# KiCad board PETER.kicad_pcb (continued)
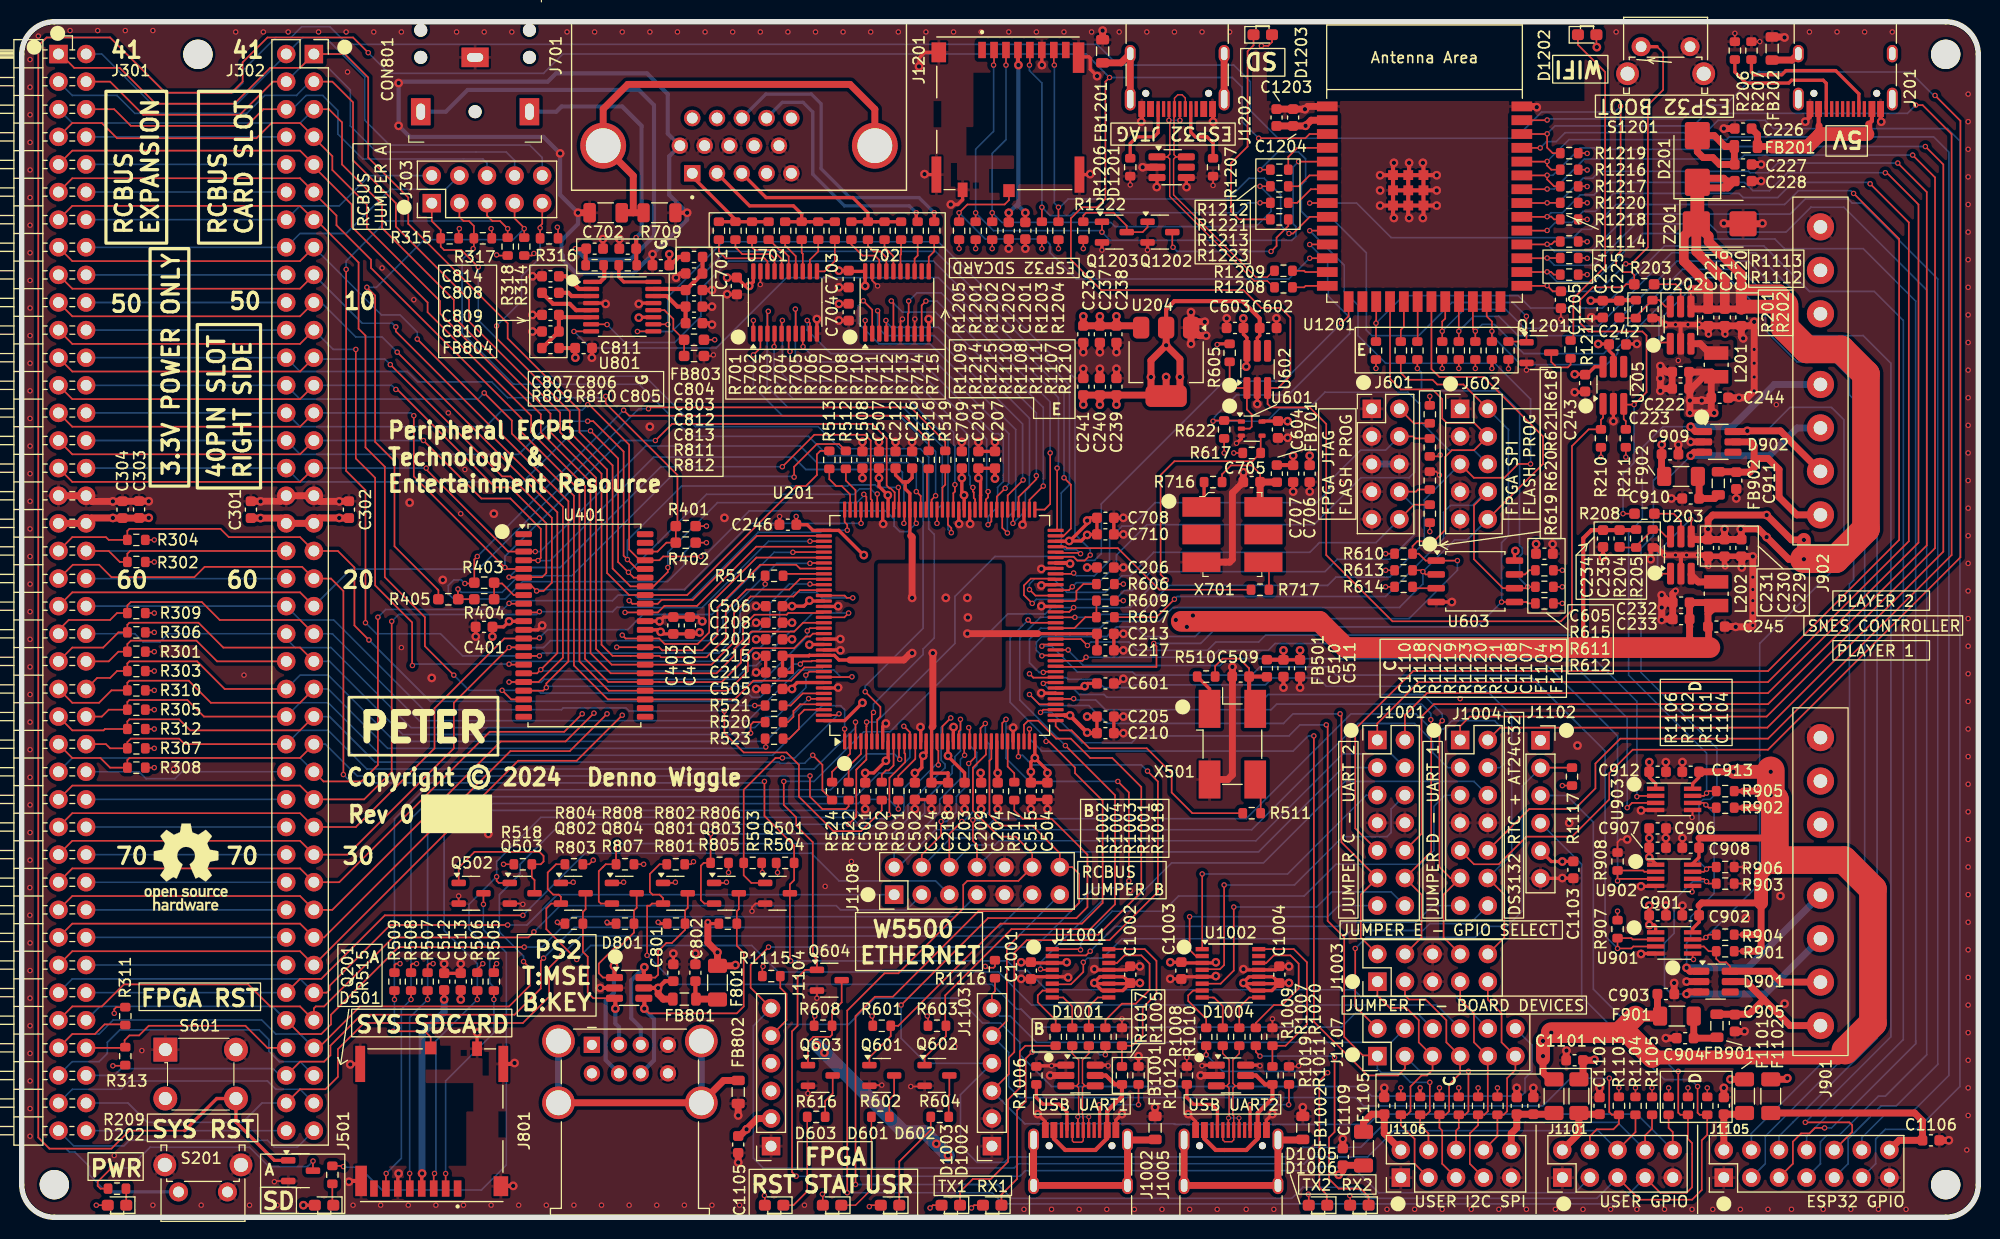
[diagram p0: board, top side]
## Footprints (pads in the part's own frame, mm; a bottom-side part is the same pattern mirrored in y, then rotated) (continued)
LTST-S270KGKT
  rrect 1.1x1 smd: 1(-0.85,0) 2(0.85,0)
MountingHole_2.7mm_M2.5_DIN965
  round 2.7 hole 2.7 unplated: (0,0)
Oscillator_Renesas_XL_6pin_5x7mm_HandSolder
  rect 1.8x3.5 smd: 1(-2.54,-2.85) 2(0,-2.85) 3(2.54,-2.85) 4(2.54,2.85) 5(0,2.85) 6(-2.54,2.85)
Oscillator_SMD_EuroQuartz_XO91-4Pin_7.0x5.0mm_HandSoldering
  rect 3.5x2 smd: 1(-3.25,-2.1) 2(3.25,-2.1) 3(3.25,2.1) 4(-3.25,2.1)
PinHeader_2x05_P2.54mm_Vertical
  rect 1.7x1.7 hole 1: 1(0,0)
  oval 1.7x1.7 hole 1: 2(2.54,0) 3(0,-2.54) 4(2.54,-2.54) 5(0,-5.08) 6(2.54,-5.08) 7(0,-7.62) 8(2.54,-7.62) 9(0,-10.16) 10(2.54,-10.16)
PinHeader_2x06_P2.54mm_Vertical
  rect 1.7x1.7 hole 1: 1(0,0)
  oval 1.7x1.7 hole 1: 2(2.54,0) 3(0,-2.54) 4(2.54,-2.54) 5(0,-5.08) 6(2.54,-5.08) 7(0,-7.62) 8(2.54,-7.62) 9(0,-10.16) 10(2.54,-10.16) 11(0,-12.7) 12(2.54,-12.7)
PinHeader_2x07_P2.54mm_Vertical
  rect 1.7x1.7 hole 1: 1(0,0)
  oval 1.7x1.7 hole 1: 2(2.54,0) 3(0,-2.54) 4(2.54,-2.54) 5(0,-5.08) 6(2.54,-5.08) 7(0,-7.62) 8(2.54,-7.62) 9(0,-10.16) 10(2.54,-10.16) 11(0,-12.7) 12(2.54,-12.7) 13(0,-15.24) 14(2.54,-15.24)
PinSocket_1x06_P2.54mm_Vertical
  rect 1.7x1.7 hole 1: 1(0,0)
  oval 1.7x1.7 hole 1: 2(0,-2.54) 3(0,-5.08) 4(0,-7.62) 5(0,-10.16) 6(0,-12.7)
PinSocket_2x40_P2.54mm_Vertical_RCBUS80
  rect 1.7x1.7 hole 1: 1(2.54,0)
  oval 1.7x1.7 hole 1: 2(2.54,-2.54) 3(2.54,-5.08) 4(2.54,-7.62) 5(2.54,-10.16) 6(2.54,-12.7) 7(2.54,-15.24) 8(2.54,-17.78) 9(2.54,-20.32) 10(2.54,-22.86) 11(2.54,-25.4) 12(2.54,-27.94) 13(2.54,-30.48) 14(2.54,-33.02) 15(2.54,-35.56) 16(2.54,-38.1) 17(2.54,-40.64) 18(2.54,-43.18) 19(2.54,-45.72) 20(2.54,-48.26) 21(2.54,-50.8) 22(2.54,-53.34) 23(2.54,-55.88) 24(2.54,-58.42) 25(2.54,-60.96) 26(2.54,-63.5) 27(2.54,-66.04) 28(2.54,-68.58) 29(2.54,-71.12) 30(2.54,-73.66) 31(2.54,-76.2) 32(2.54,-78.74) 33(2.54,-81.28) 34(2.54,-83.82) 35(2.54,-86.36) 36(2.54,-88.9) 37(2.54,-91.44) 38(2.54,-93.98) 39(2.54,-96.52) 40(2.54,-99.06) 41(0,0) 42(0,-2.54) 43(0,-5.08) 44(0,-7.62) 45(0,-10.16) 46(0,-12.7) 47(0,-15.24) 48(0,-17.78) 49(0,-20.32) 50(0,-22.86) 51(0,-25.4) 52(0,-27.94) 53(0,-30.48) 54(0,-33.02) 55(0,-35.56) 56(0,-38.1) 57(0,-40.64) 58(0,-43.18) 59(0,-45.72) 60(0,-48.26) 61(0,-50.8) 62(0,-53.34) 63(0,-55.88) 64(0,-58.42) 65(0,-60.96) 66(0,-63.5) 67(0,-66.04) 68(0,-68.58) 69(0,-71.12) 70(0,-73.66) 71(0,-76.2) 72(0,-78.74) 73(0,-81.28) 74(0,-83.82) 75(0,-86.36) 76(0,-88.9) 77(0,-91.44) 78(0,-93.98) 79(0,-96.52) 80(0,-99.06)
R_0603_1608Metric
  rrect 0.8x0.95 smd: 1(-0.825,0) 2(0.825,0)
R_0603_1608Metric_Pad0.98x0.95mm_HandSolder
  rrect 0.975x0.95 smd: 1(-0.912,0) 2(0.912,0)
R_1206_3216Metric
  rrect 1.125x1.75 smd: 1(-1.462,0) 2(1.462,0)
R_1206_3216Metric_Pad1.30x1.75mm_HandSolder
  rrect 1.3x1.75 smd: 1(-1.55,0) 2(1.55,0)
RCBUS_PinHeader_2x40_P2.54mm_Horizontal
  rect 1.7x1.7 hole 1: 1(8.08,0)
  oval 1.7x1.7 hole 1: 2(8.08,-2.54) 3(8.08,-5.08) 4(8.08,-7.62) 5(8.08,-10.16) 6(8.08,-12.7) 7(8.08,-15.24) 8(8.08,-17.78) 9(8.08,-20.32) 10(8.08,-22.86) 11(8.08,-25.4) 12(8.08,-27.94) 13(8.08,-30.48) 14(8.08,-33.02) 15(8.08,-35.56) 16(8.08,-38.1) 17(8.08,-40.64) 18(8.08,-43.18) 19(8.08,-45.72) 20(8.08,-48.26) 21(8.08,-50.8) 22(8.08,-53.34) 23(8.08,-55.88) 24(8.08,-58.42) 25(8.08,-60.96) 26(8.08,-63.5) 27(8.08,-66.04) 28(8.08,-68.58) 29(8.08,-71.12) 30(8.08,-73.66) 31(8.08,-76.2) 32(8.08,-78.74) 33(8.08,-81.28) 34(8.08,-83.82) 35(8.08,-86.36) 36(8.08,-88.9) 37(8.08,-91.44) 38(8.08,-93.98) 39(8.08,-96.52) 40(8.08,-99.06) 41(10.62,0) 42(10.62,-2.54) 43(10.62,-5.08) 44(10.62,-7.62) 45(10.62,-10.16) 46(10.62,-12.7) 47(10.62,-15.24) 48(10.62,-17.78) 49(10.62,-20.32) 50(10.62,-22.86) 51(10.62,-25.4) 52(10.62,-27.94) 53(10.62,-30.48) 54(10.62,-33.02) 55(10.62,-35.56) 56(10.62,-38.1) 57(10.62,-40.64) 58(10.62,-43.18) 59(10.62,-45.72) 60(10.62,-48.26) 61(10.62,-50.8) 62(10.62,-53.34) 63(10.62,-55.88) 64(10.62,-58.42) 65(10.62,-60.96) 66(10.62,-63.5) 67(10.62,-66.04) 68(10.62,-68.58) 69(10.62,-71.12) 70(10.62,-73.66) 71(10.62,-76.2) 72(10.62,-78.74) 73(10.62,-81.28) 74(10.62,-83.82) 75(10.62,-86.36) 76(10.62,-88.9) 77(10.62,-91.44) 78(10.62,-93.98) 79(10.62,-96.52) 80(10.62,-99.06)
SNES_ControllerPortRightAngle_RightSide
  round 2.5 hole 1.25: 1(-15.236,0) 2(-11.236,0) 3(-7.236,0) 4(-3.236,0) 5(3.264,0) 6(7.264,0) 7(11.264,0)
SOIC-8_5.23x5.23mm_P1.27mm
  rrect 1.6x0.6 smd: 1(-3.6,1.905) 2(-3.6,0.635) 3(-3.6,-0.635) 4(-3.6,-1.905) 5(3.6,-1.905) 6(3.6,-0.635) 7(3.6,0.635) 8(3.6,1.905)
SOT-23-3
  rrect 1.325x0.6 smd: 1(-1.137,0.95) 2(-1.137,-0.95) 3(1.137,0)
SOT-23-6_Handsoldering
  rrect 1.56x0.65 smd: 1(-1.35,0.95) 2(-1.35,0) 3(-1.35,-0.95) 4(1.35,-0.95) 5(1.35,0) 6(1.35,0.95)
SOT-223
  rrect 2x1.5 smd: 1(-3.15,2.3) 2(-3.15,0) 3(-3.15,-2.3)
  rrect 2x3.8 smd: 4(3.15,0)
SOT-353_SC-70-5
  rrect 0.65x0.4 smd: 1(-0.95,0.65) 2(-0.95,0) 3(-0.95,-0.65) 4(0.95,-0.65) 5(0.95,0.65)
SSOP-8_2.95x2.8mm_P0.65mm
  rect 1.6x0.4 smd: 1(-1.7,0.975) 2(-1.7,0.325) 3(-1.7,-0.325) 4(-1.7,-0.975) 5(1.7,-0.975) 6(1.7,-0.325) 7(1.7,0.325) 8(1.7,0.975)
SSOP-16_3.9x4.9mm_P0.635mm
  rect 1.2x0.4 smd: 1(-2.6,2.223) 2(-2.6,1.587) 3(-2.6,0.953) 4(-2.6,0.318) 5(-2.6,-0.318) 6(-2.6,-0.953) 7(-2.6,-1.587) 8(-2.6,-2.223) 9(2.6,-2.223) 10(2.6,-1.587) 11(2.6,-0.953) 12(2.6,-0.318) 13(2.6,0.318) 14(2.6,0.953) 15(2.6,1.587) 16(2.6,2.223)
SW_Tactile_SPST_Angled_PTS645Vx83-2LFS
  round 1.75 hole 0.99: 1(0,0) 2(4.5,0)
  round 2.1 hole 1.3: SH1(-1.25,-2.49) SH2(5.76,-2.49)
Switch_Tactile_THT_6x6mm
  rect 2.2x2.2 hole 1.2: 1(0,0)
  round 2.2 hole 1.2: 2(6.5,0) 3(0,-4.5) 4(6.5,-4.5)
TSOP-II-44_10.16x18.41mm_P0.8mm
  rrect 1.525x0.55 smd: 1(-5.588,8.4) 2(-5.588,7.6) 3(-5.588,6.8) 4(-5.588,6) 5(-5.588,5.2) 6(-5.588,4.4) 7(-5.588,3.6) 8(-5.588,2.8) 9(-5.588,2) 10(-5.588,1.2) 11(-5.588,0.4) 12(-5.588,-0.4) 13(-5.588,-1.2) 14(-5.588,-2) 15(-5.588,-2.8) 16(-5.588,-3.6) 17(-5.588,-4.4) 18(-5.588,-5.2) 19(-5.588,-6) 20(-5.588,-6.8) 21(-5.588,-7.6) 22(-5.588,-8.4) 23(5.588,-8.4) 24(5.588,-7.6) 25(5.588,-6.8) 26(5.588,-6) 27(5.588,-5.2) 28(5.588,-4.4) 29(5.588,-3.6) 30(5.588,-2.8) 31(5.588,-2) 32(5.588,-1.2) 33(5.588,-0.4) 34(5.588,0.4) 35(5.588,1.2) 36(5.588,2) 37(5.588,2.8) 38(5.588,3.6) 39(5.588,4.4) 40(5.588,5.2) 41(5.588,6) 42(5.588,6.8) 43(5.588,7.6) 44(5.588,8.4)
TSOT-23-6_HandSoldering
  rrect 2x0.65 smd: 1(-1.71,0.95) 2(-1.71,0) 3(-1.71,-0.95) 4(1.71,-0.95) 5(1.71,0) 6(1.71,0.95)
TSSOP-16_4.4x5mm_P0.65mm
  rrect 1.475x0.4 smd: 1(-2.862,2.275) 2(-2.862,1.625) 3(-2.862,0.975) 4(-2.862,0.325) 5(-2.862,-0.325) 6(-2.862,-0.975) 7(-2.862,-1.625) 8(-2.862,-2.275) 9(2.862,-2.275) 10(2.862,-1.625) 11(2.862,-0.975) 12(2.862,-0.325) 13(2.862,0.325) 14(2.862,0.975) 15(2.862,1.625) 16(2.862,2.275)
TSSOP-20_4.4x6.5mm_P0.65mm
  rrect 1.475x0.4 smd: 1(-2.862,2.925) 2(-2.862,2.275) 3(-2.862,1.625) 4(-2.862,0.975) 5(-2.862,0.325) 6(-2.862,-0.325) 7(-2.862,-0.975) 8(-2.862,-1.625) 9(-2.862,-2.275) 10(-2.862,-2.925) 11(2.862,-2.925) 12(2.862,-2.275) 13(2.862,-1.625) 14(2.862,-0.975) 15(2.862,-0.325) 16(2.862,0.325) 17(2.862,0.975) 18(2.862,1.625) 19(2.862,2.275) 20(2.862,2.925)
USB_A_Wuerth_61400826021_Horizontal_Stacked
  rect 1.5x1.5 hole 0.92: 1(0,0)
  round 1.5 hole 0.92: 2(2.5,0) 3(4.5,0) 4(7,0) 5(0,-2.62) 6(2.5,-2.62) 7(4.5,-2.62) 8(7,-2.62)
  round 3 hole 2.3: 9(-3.07,0.35) 9(-3.07,-5.33) 9(10.07,0.35) 9(10.07,-5.33)
USB_C_Receptacle_HRO_TYPE-C-31-M-12
  round 0.65 hole 0.65 unplated: (-2.89,2.6) (2.89,2.6)
  rect 0.6x1.45 smd: A1(-3.25,4.045) A4(-2.45,4.045) A9(2.45,4.045) A12(3.25,4.045) B1(3.25,4.045) B4(2.45,4.045) B9(-2.45,4.045) B12(-3.25,4.045)
  rect 0.3x1.45 smd: A5(-1.25,4.045) A6(-0.25,4.045) A7(0.25,4.045) A8(1.25,4.045) B5(1.75,4.045) B6(0.75,4.045) B7(-0.75,4.045) B8(-1.75,4.045)
  oval 1x2.1 hole 0.6x1.7: S1(-4.32,3.13) S1(4.32,3.13)
  oval 1x1.6 hole 0.6x1.2: S1(-4.32,-1.05) S1(4.32,-1.05)
uSD_Molex_503398-1892
  rect 0.7x1.5 smd: 1(-2.38,5.825) 2(-1.28,5.825) 3(-0.18,5.825) 4(0.92,5.825) 5(2.02,5.825) 6(3.12,5.825) 7(4.22,5.825) 8(5.32,5.825)
  rect 0.9x1.33 smd: 9(-4.17,-7.04)
  rect 1.05x1.18 smd: 10(0.095,-7.115)
  rect 1.34x1.83 smd: SH1(-6.36,5.61)
  rect 1.06x2.8 smd: SH2(6.5,5.125)
  rect 0.9x3.33 smd: SH3(-6.58,-5.64) SH4(6.58,-5.64)

## Nets
+1V1: C201.1 C202.1 C203.1 C204.1 C205.1 C206.1 C207.1 C208.1 C209.1 C210.1 C232.1 C233.1 C234.1 C235.1 C245.1 C246.1 L202.2 R204.1 U201.20 U201.29 U201.38 U201.66 U201.83 U201.109 U201.130 U201.144
+2V5: C211.1 C212.1 C213.1 C214.1 C215.1 C216.1 C217.1 C218.1 C239.1 C240.1 C241.1 C602.1 U201.17 U201.53 U201.96 U201.132 U204.2 U204.4 U602.5
+3.3V: C222.1 C223.1 C224.1 C225.1 C236.1 C237.1 C238.1 C242.1 C243.1 C244.1 C301.1 C302.1 C303.1 C304.1 C401.1 C402.1 C403.1 C501.1 C502.1 C504.1 C505.1 C506.1 C507.1 C508.1 C510.1 C511.1 C512.1 C513.1 C515.1 C601.1 C603.1 C604.1 C605.1 C701.1 C703.1 C704.1 C706.1 C707.1 C708.1 C709.1 C710.1 C805.1 C811.1 C901.1 C906.1 C907.1 C912.1 C1001.1 C1002.1 C1003.1 C1004.1 C1101.1 C1103.1 C1105.1 C1109.1 C1201.1 C1202.1 C1203.1 C1204.1 D202.2 D501.2 D601.2 D602.2 D603.2 D1002.2 D1003.2 D1005.2 D1006.2 D1202.2 D1203.2 F1101.2 F1102.2 F1103.2 F1105.2 FB501.2 FB701.2 FB803.2 FB804.2 J301.18 J301.58 J302.18 J302.58 J501.4 J1102.5 J1104.2 J1104.3 J1201.4 L201.2 Q801.1 Q802.1 Q803.1 Q804.1 R201.1 R210.1 R211.1 R301.2 R302.2 R303.2 R304.2 R305.2 R306.2 R307.2 R308.2 R309.2 R310.2 R311.2 R312.2 R313.2 R314.2 R315.2 R316.2 R317.2 R318.2 R401.1 R503.1 R504.1 R505.1 R506.1 R507.1 R508.1 R509.1 R518.1 R601.1 R603.1 R605.1 R606.1 R608.1 R609.1 R610.1 R611.1 R612.1 R613.1 R614.1 R615.1 R617.1 R618.1 R619.1 R621.1 R622.1 R802.1 R804.1 R806.1 R808.1 R811.1 R907.2 R1101.2 R1102.2 R1103.2 R1104.2 R1105.2 R1106.2 R1107.2 R1108.2 R1109.2 R1110.2 R1111.2 R1112.2 R1113.2 R1114.2 R1115.2 R1116.2 R1117.2 R1118.2 R1119.2 R1120.2 R1121.2 R1122.2 R1123.2 R1201.1 R1202.1 R1203.1 R1204.1 R1205.1 R1210.1 R1216.2 R1217.2 R1218.2 R1219.2 R1220.2 R1222.1 U201.9 U201.16 U201.36 U201.43 U201.70 U201.86 U201.100 U201.122 U201.137 U204.3 U205.5 U205.6 U401.11 U401.33 U601.5 U602.6 U603.8 U701.1 U701.20 U702.1 U702.20 U801.11 U901.1 U901.5 U902.1 U902.5 U903.1 U1001.3 U1001.10 U1001.11 U1001.12 U1002.3 U1002.10 U1002.11 U1002.12 U1201.2
+5V: C219.1 C220.1 C221.1 C228.1 C229.1 C230.1 C231.1 C902.1 C903.1 C908.1 C909.1 C913.1 D201.1 F801.2 F901.1 F902.1 F1104.2 R801.1 R803.1 R805.1 R807.1 R901.2 R902.2 R904.2 R905.2 U202.1 U202.4 U203.1 U203.4 U901.8 U902.8 U903.8 Z201.1
/FPGA IO/VCC_OSC2: C509.1 FB501.1 R510.1 X501.4
/Power Supply/VBUS_5V: C226.1 FB201.1 J201.A4 J201.A9 J201.B4 J201.B9
/RGB VGA/VCC_OSC1: C705.1 FB701.1 R716.1 X701.6
/SNES Connectors/5V_SNES1: C905.1 D901.5 FB901.2 J901.1
/SNES Connectors/5V_SNES2: C911.1 D902.5 FB902.2 J902.1
/UART_FT230X/VBUS_SENSE_UART1: R1017.2 R1018.1 U1001.16
/UART_FT230X/VBUS_SENSE_UART2: R1019.2 R1020.1 U1002.16
/UART_FT230X/VBUS_UART1: D1001.5 J1002.A4 J1002.A9 J1002.B4 J1002.B9 R1017.1
/UART_FT230X/VBUS_UART2: D1004.5 J1005.A4 J1005.A9 J1005.B4 J1005.B9 R1019.1
/USER IO, SPI, I2C/3V3_IO1: C1110.1 F1105.1 J1106.2
/USER IO, SPI, I2C/3V3_IO2: C1102.1 F1103.1 J1101.2
/USER IO, SPI, I2C/3V3_IO3: C1104.1 F1101.1 J1105.2
/USER IO, SPI, I2C/3V3_IO4: C1106.1 F1102.1 J1105.14
/USER IO, SPI, I2C/5V0_IO1: C1107.1 C1108.1 F1104.1 J1106.10
GND: C201.2 C202.2 C203.2 C204.2 C205.2 C206.2 C207.2 C208.2 C209.2 C210.2 C211.2 C212.2 C213.2 C214.2 C215.2 C216.2 C217.2 C218.2 C219.2 C220.2 C221.2 C222.2 C223.2 C224.2 C226.2 C227.2 C228.2 C229.2 C230.2 C231.2 C232.2 C233.2 C234.2 C236.2 C237.2 C238.2 C239.2 C240.2 C241.2 C242.2 C243.2 C244.2 C245.2 C246.2 C301.2 C302.2 C303.2 C304.2 C401.2 C402.2 C403.2 C501.2 C502.2 C504.2 C505.2 C506.2 C507.2 C508.2 C509.2 C510.2 C511.2 C512.2 C513.2 C515.2 C601.2 C602.2 C603.2 C604.2 C605.2 C701.2 C702.2 C703.2 C704.2 C705.2 C706.2 C707.2 C708.2 C709.2 C710.2 C801.2 C802.2 C803.2 C804.2 C805.2 C806.2 C807.2 C809.2 C810.2 C811.2 C812.2 C813.2 C814.2 C901.2 C902.2 C903.2 C904.2 C905.2 C906.2 C907.2 C908.2 C909.2 C910.2 C911.2 C912.2 C913.2 C1001.2 C1002.2 C1003.2 C1004.2 C1101.2 C1102.2 C1103.2 C1104.2 C1105.2 C1106.2 C1107.2 C1108.2 C1109.2 C1110.2 C1201.2 C1202.2 C1203.2 C1204.2 C1205.2 CON801.1 D801.2 D901.2 D902.2 D1001.1 D1001.2 D1001.6 D1004.1 D1004.2 D1004.6 D1201.2 D1201.3 D1201.4 FB202.1 FB802.1 FB1001.1 FB1002.1 FB1201.1 J201.A1 J201.A12 J201.B1 J201.B12 J301.17 J301.57 J302.17 J302.57 J501.6 J501.9 J501.SH1 J501.SH2 J501.SH3 J501.SH4 J601.1 J601.3 J601.5 J601.6 J601.7 J601.9 J602.1 J602.3 J602.7 J602.9 J701.5 J701.6 J701.7 J701.8 J701.10 J801.4 J801.8 J901.7 J902.7 J1001.7 J1001.8 J1002.A1 J1002.A12 J1002.B1 J1002.B12 J1003.5 J1003.6 J1004.7 J1004.8 J1005.A1 J1005.A12 J1005.B1 J1005.B12 J1101.1 J1101.9 J1102.6 J1103.1 J1103.2 J1104.1 J1105.1 J1105.13 J1106.1 J1106.9 J1108.9 J1108.10 J1201.6 J1201.9 J1201.SH1 J1201.SH2 J1201.SH3 J1201.SH4 J1202.A1 J1202.A12 J1202.B1 J1202.B12 Q201.2 Q501.2 Q502.2 Q503.2 Q601.2 Q602.2 Q603.2 Q604.2 Q1201.2 Q1202.2 Q1203.2 R202.2 R205.2 R206.2 R207.2 R620.1 R709.2 R812.1 R903.2 R906.2 R908.2 R1005.2 R1006.2 R1011.2 R1012.2 R1018.2 R1020.2 R1206.2 R1207.2 S201.1 S201.SH1 S201.SH2 S601.1 S601.2 S1201.2 S1201.SH1 S1201.SH2 U201.8 U201.15 U201.21 U201.32 U201.42 U201.58 U201.62 U201.65 U201.75 U201.85 U201.87 U201.101 U201.123 U201.129 U201.131 U201.138 U202.2 U203.2 U204.1 U205.2 U401.12 U401.34 U601.3 U602.2 U603.4 U701.10 U701.19 U702.6 U702.8 U702.10 U702.19 U801.4 U801.13 U901.4 U902.4 U903.4 U903.5 U1001.5 U1001.13 U1002.5 U1002.13 U1201.1 U1201.40 U1201.41 X501.2 X701.3 Z201.2
/ESP32-S3/BOOT_N: C1205.1 S1201.1 U1201.27
/ESP32-S3/ESP_CC1: J1202.A5 R1207.1
/ESP32-S3/ESP_CC2: J1202.B5 R1206.1
/ESP32-S3/ESP_SD_DET_N: J1201.10 R1205.2 U1201.12
/ESP32-S3/ESP_SD_SPI_CLK: J1201.5 R1203.2 R1213.2
/ESP32-S3/ESP_SD_SPI_CLK_S: R1213.1 U1201.7
/ESP32-S3/ESP_SD_SPI_CS_N: J1201.2 Q1203.1 R1201.2 U1201.5
/ESP32-S3/ESP_SD_SPI_MISO: J1201.7 R1204.2 U1201.9
/ESP32-S3/ESP_SD_SPI_MOSI: J1201.3 R1202.2 R1221.2
/ESP32-S3/ESP_SD_SPI_MOSI_S: R1221.1 U1201.6
/ESP32-S3/FPGA_SPI_CLK_S: R1215.1 U1201.20
/ESP32-S3/FPGA_SPI_MOSI_S: R1214.1 U1201.19
/ESP32-S3/USB_OTG_DN: D1201.6 J1202.A7 J1202.B7 R1209.2
/ESP32-S3/USB_OTG_DP: D1201.1 J1202.A6 J1202.B6 R1208.2
/ESP32-S3/USB_OTG_JTAG_DN: R1209.1 U1201.13
/ESP32-S3/USB_OTG_JTAG_DP: R1208.1 U1201.14
/ESP32-S3/WIFI_LED: R1212.1 U1201.4
/FPGA Config/FPGA_SPI_HOLD_N: R615.2 U603.7
/FPGA Config/FPGA_SPI_WP_N: R614.2 U603.3
/FPGA Config/FPGA_STATUS: Q601.1 R601.2 U201.55
/FPGA Config/FPGA_TCK: J601.8 R620.2 U201.63
/FPGA Config/FPGA_TDI: J601.2 R618.2 U201.61
/FPGA Config/FPGA_TDO: J601.10 R619.2 U201.60
/FPGA Config/FPGA_TMS: J601.4 R621.2 U201.64
/FPGA Config/MCLK: R607.2 R609.2 U201.54
/FPGA Config/PUSH_BTN_2V5_RESET_N: R605.2 U601.2 U602.1
/FPGA IO/CLK_OSC2: R511.1 U201.37
/FPGA IO/CPU_CLOCK_SRC_S: R502.1 U201.10
/FPGA IO/CPU_RESET: Q501.1 R503.2 U201.143
/FPGA IO/FPGA_CLOCK_PHI: R519.2 U201.90
/FPGA IO/FPGA_IORQ_N: R522.2 U201.4
/FPGA IO/FPGA_M1_N: R521.2 U201.139
/FPGA IO/FPGA_MREQ_N: R520.2 U201.141
/FPGA IO/FPGA_RD_N: R524.2 U201.2
/FPGA IO/FPGA_WR_N: R523.2 U201.142
/FPGA IO/MEM_A20_CE2_N_S: R516.1 U201.93
/FPGA IO/MEM_CE_CE2_N_S: R512.1 U201.106
/FPGA IO/MEM_OE_N_S: R513.1 U201.107
/FPGA IO/MEM_WE_N_S: R514.1 U201.117
/FPGA IO/OSC2_EN: R510.2 X501.1
/FPGA IO/SD_DET_N: J501.10 R509.2 U201.11
/FPGA IO/SD_SPI_CLK: J501.5 R501.2 R507.2
/FPGA IO/SD_SPI_CLK_S: R501.1 U201.14
/FPGA IO/SD_SPI_CS_N: J501.2 Q503.1 R505.2 U201.18
/FPGA IO/SD_SPI_MISO: J501.7 R508.2 U201.13
/FPGA IO/SD_SPI_MOSI: J501.3 R506.2 U201.12
/FPGA IO/USER_SPI_CLK_S: R517.2 U201.31
/Power Supply/FB_1V1: C235.2 R204.2 R205.1 U203.6
/Power Supply/FB_3V3: C225.2 R201.2 R202.1 U202.6
/Power Supply/PG_1V1: R208.2 U203.5
/Power Supply/PG_3V3: R203.2 U202.5
/Power Supply/PWR_CC1: J201.A5 R207.1
/Power Supply/PWR_CC2: J201.B5 R206.1
/Power Supply/PWR_RESET_N: R203.1 R208.1 R211.2 S201.2 U205.3
/Power Supply/SW_1V1: L202.1 U203.3
/Power Supply/SW_3V3: L201.1 U202.3
/PS2 & Audio/AIFMODE: R811.2 R812.2 U801.12
/PS2 & Audio/AUDIO_AVDD: C803.1 C804.1 FB803.1 U801.15
/PS2 & Audio/AUDIO_CPCA: C808.1 U801.5
/PS2 & Audio/AUDIO_CPCB: C808.2 U801.3
/PS2 & Audio/AUDIO_CPVOUTN: C814.1 U801.2
/PS2 & Audio/AUDIO_LEFT: C807.1 CON801.2 R809.2
/PS2 & Audio/AUDIO_LINEVDD: C809.1 C810.1 FB804.1 U801.6
/PS2 & Audio/AUDIO_RIGHT: C806.1 CON801.3 R810.2
/PS2 & Audio/AUDIO_S_L: R809.1 U801.1
/PS2 & Audio/AUDIO_S_R: R810.1 U801.16
/PS2 & Audio/PS2_KEYB_CLK_USB_D_P: D801.4 J801.7 Q803.3 R805.2
/PS2 & Audio/PS2_KEYB_DAT_USB_D_N: D801.1 J801.6 Q804.3 R807.2
/PS2 & Audio/PS2_MOUSE_CLK_USB_D_P: D801.6 J801.3 Q801.3 R801.2
/PS2 & Audio/PS2_MOUSE_DAT_USB_D_N: D801.3 J801.2 Q802.3 R803.2
/PS2 & Audio/PWR_5V_PS2: C801.1 D801.5 FB801.1 J801.1 J801.5
/PS2 & Audio/VMID_CAP: C812.1 C813.1 U801.14
/RCBUS Connectors/CPU_A21: J301.51 J302.51
/RCBUS Connectors/CPU_A22: J301.50 J302.50
/RCBUS Connectors/CPU_A23: J301.49 J302.49
/RCBUS Connectors/CPU_D8: J301.67 J302.67
/RCBUS Connectors/CPU_D9: J301.68 J302.68
/RCBUS Connectors/CPU_D10: J301.69 J302.69
/RCBUS Connectors/CPU_D11: J301.70 J302.70
/RCBUS Connectors/CPU_D12: J301.71 J302.71
/RCBUS Connectors/CPU_D13: J301.72 J302.72
/RCBUS Connectors/CPU_D14: J301.73 J302.73
/RCBUS Connectors/CPU_D15: J301.74 J302.74
/RCBUS Connectors/CPU_DREQ0_N: J301.45 J302.45
/RCBUS Connectors/CPU_HALT_N: J301.63 J302.63 R301.1
/RCBUS Connectors/CPU_INT2_N: J301.77 J302.77 R313.1
/RCBUS Connectors/CPU_RFSH_N: J301.59 J302.59 R302.1
/RCBUS Connectors/CPU_TEND0_N: J301.46 J302.46
/RCBUS Connectors/CUSTOM_44: J301.44 J302.44
/RCBUS Connectors/PAGE: J301.60 J302.60
/RCBUS Connectors/RCBUS_DREQ1_N: J301.47 J302.47 J303.2
/RCBUS Connectors/RCBUS_MEM_CE_N: J301.42 J302.42 J303.8
/RCBUS Connectors/RCBUS_MEM_OE_N: J301.41 J302.41 J303.10
/RCBUS Connectors/RCBUS_MEM_WE_N: J301.43 J302.43 J303.6
/RCBUS Connectors/RCBUS_TEND1_N: J301.48 J302.48 J303.4
/RCBUS Connectors/USER2: J301.38 J302.38
/RCBUS Connectors/USER3: J301.39 J302.39
/RCBUS Connectors/USER4: J301.40 J302.40
/RCBUS Connectors/USER8: J301.80 J302.80
/RGB VGA/CLK_OSC1: R717.1 U201.69
/RGB VGA/OSC1_EN: R716.2 X701.1
/RGB VGA/SHEILD_GND: C702.1 J701.S1 J701.S2 R709.1
/RGB VGA/VB0: R710.1 U702.18
/RGB VGA/VB1: R711.1 U702.17
/RGB VGA/VB2: R712.1 U702.16
/RGB VGA/VB3: R713.1 U702.15
/RGB VGA/VG0: R705.1 U701.14
/RGB VGA/VG1: R706.1 U701.13
/RGB VGA/VG2: R707.1 U701.12
/RGB VGA/VG3: R708.1 U701.11
/RGB VGA/VGA_BLU: J701.3 R710.2 R711.2 R712.2 R713.2
/RGB VGA/VGA_GRN: J701.2 R705.2 R706.2 R707.2 R708.2
/RGB VGA/VGA_HSYNC: J701.13 R715.2
/RGB VGA/VGA_RED: J701.1 R701.2 R702.2 R703.2 R704.2
/RGB VGA/VGA_VSYNC: J701.14 R714.2
/RGB VGA/VHS: R715.1 U702.11
/RGB VGA/VR0: R701.1 U701.18
/RGB VGA/VR1: R702.1 U701.17
/RGB VGA/VR2: R703.1 U701.16
/RGB VGA/VR3: R704.1 U701.15
/RGB VGA/VVS: R714.1 U702.13
/SNES Connectors/SNES1_5V_CLOCK: D901.6 J901.2 R901.1 U901.6
/SNES Connectors/SNES1_5V_DATA_N: D901.1 J901.4 R902.1 U903.6
/SNES Connectors/SNES1_5V_LATCH: D901.3 J901.3 R903.1 U902.6
/SNES Connectors/SNES2_5V_CLOCK: D902.6 J902.2 R904.1 U901.7
/SNES Connectors/SNES2_5V_DATA_N: D902.1 J902.4 R905.1 U903.7
/SNES Connectors/SNES2_5V_LATCH: D902.3 J902.3 R906.1 U902.7
/SRAM MEMORY/MEM_CE2_N: R403.2 R404.2 U401.8
/UART_FT230X/FT230X_UART1_CTS: J1004.14 U1001.6
/UART_FT230X/FT230X_UART1_RTS: J1004.13 U1001.2
/UART_FT230X/FT230X_UART1_RX: J1004.6 U1001.4
/UART_FT230X/FT230X_UART1_TX: J1004.5 U1001.1
/UART_FT230X/FT230X_UART2_CTS: J1001.14 U1002.6
/UART_FT230X/FT230X_UART2_RTS: J1001.13 U1002.2
/UART_FT230X/FT230X_UART2_RX: J1001.6 U1002.4
/UART_FT230X/FT230X_UART2_TX: J1001.5 U1002.1
/UART_FT230X/UART1_CC1: J1002.A5 R1006.1
/UART_FT230X/UART1_CC2: J1002.B5 R1005.1
/UART_FT230X/UART1_RX_LED: R1001.2 U1001.14
/UART_FT230X/UART1_S_USB_D_N: D1001.4 J1002.A7 J1002.B7 R1003.1
/UART_FT230X/UART1_S_USB_D_P: D1001.3 J1002.A6 J1002.B6 R1004.1
/UART_FT230X/UART1_TX_LED: R1002.2 U1001.7
/UART_FT230X/UART1_USB_D_N: R1003.2 U1001.9
/UART_FT230X/UART1_USB_D_P: R1004.2 U1001.8
/UART_FT230X/UART2_CC1: J1005.A5 R1012.1
/UART_FT230X/UART2_CC2: J1005.B5 R1011.1
/UART_FT230X/UART2_RX_LED: R1007.2 U1002.14
/UART_FT230X/UART2_S_USB_D_N: D1004.4 J1005.A7 J1005.B7 R1009.1
/UART_FT230X/UART2_S_USB_D_P: D1004.3 J1005.A6 J1005.B6 R1010.1
/UART_FT230X/UART2_TX_LED: R1008.2 U1002.7
/UART_FT230X/UART2_USB_D_N: R1009.2 U1002.9
/UART_FT230X/UART2_USB_D_P: R1010.2 U1002.8
/USER IO, SPI, I2C/RTC_SQW_INT_N: J1102.2 J1107.2 R1117.1
/USER IO, SPI, I2C/W5500_INT_N: J1103.6 J1107.4 R1116.1
/USER IO, SPI, I2C/W5500_RESET_N: J1104.5 J1107.12 R1115.1
AUDIO_BCLK: U201.68 U801.9
AUDIO_DATA: U201.71 U801.7
AUDIO_LRCLK: U201.72 U801.8
AUDIO_MCLK: U201.67 U801.10
CPU_A0: J301.16 J302.16 U201.94 U401.3
CPU_A1: J301.15 J302.15 U201.97 U401.4
CPU_A2: J301.14 J302.14 U201.99 U401.5
CPU_A3: J301.13 J302.13 U201.103 U401.6
CPU_A4: J301.12 J302.12 U201.105 U401.7
CPU_A5: J301.11 J302.11 U201.119 U401.16
CPU_A6: J301.10 J302.10 U201.121 U401.17
CPU_A7: J301.9 J302.9 U201.125 U401.18
CPU_A8: J301.8 J302.8 U201.127 U401.19
CPU_A9: J301.7 J302.7 U201.133 U401.20
CPU_A10: J301.6 J302.6 U201.128 U401.26
CPU_A11: J301.5 J302.5 U201.126 U401.27
CPU_A12: J301.4 J302.4 U201.124 U401.28
CPU_A13: J301.3 J302.3 U201.120 U401.29
CPU_A14: J301.2 J302.2 U201.118 U401.30
CPU_A15: J301.1 J302.1 U201.104 U401.38
CPU_A16: J301.56 J302.56 U201.102 U401.39
CPU_A17: J301.55 J302.55 U201.98 U401.40
CPU_A18: J301.54 J302.54 U201.95 U401.41
CPU_A19: J301.53 J302.53 U201.134 U401.25
CPU_A20: J301.52 J302.52 R401.2 R402.2 U401.42
CPU_BUSACK_N: J301.62 J302.62 U201.135
CPU_BUSREQ_N: J301.64 J302.64 R303.1 U201.140
CPU_CLOCK_PHI: J301.21 J302.21 R519.1
CPU_CLOCK_SRC: J301.61 J302.61 R502.2
CPU_D0: J301.27 J302.27 U201.108 U401.9
CPU_D1: J301.28 J302.28 U201.111 U401.10
CPU_D2: J301.29 J302.29 U201.113 U401.13
CPU_D3: J301.30 J302.30 U201.115 U401.14
CPU_D4: J301.31 J302.31 U201.116 U401.31
CPU_D5: J301.32 J302.32 U201.114 U401.32
CPU_D6: J301.33 J302.33 U201.112 U401.35
CPU_D7: J301.34 J302.34 U201.110 U401.36
CPU_DREQ1_N: J303.1 R315.1 U201.6
CPU_INT0_N: J301.22 J302.22 R309.1 U201.136
CPU_INT1_N: J301.37 J302.37 R311.1 U201.5 U1201.15
CPU_IORQ_N: J301.26 J302.26 R308.1 R522.1
CPU_M1_N: J301.19 J302.19 R304.1 R521.1
CPU_MREQ_N: J301.23 J302.23 R306.1 R520.1
CPU_NMI_N: J301.66 J302.66 R307.1 U201.3
CPU_RD_N: J301.25 J302.25 R312.1 R524.1
CPU_RESET_N: J301.20 J302.20 J1107.10 Q501.3 R504.2
CPU_TEND1_N: J303.3 R317.1 U201.7
CPU_WAIT_N: J301.65 J302.65 R305.1 U201.1
CPU_WR_N: J301.24 J302.24 R310.1 R523.1
ESP_UART0_RX: J1105.12 R1216.1 U1201.36
ESP_UART0_TX: J1105.11 U1201.37
ESP_UART1_CTS: J1004.10 R1219.1 U1201.38
ESP_UART1_RTS: J1004.9 U1201.39
ESP_UART1_RX: J1004.2 R1217.1 U1201.35
ESP_UART1_TX: J1004.1 U1201.34
ESP_UART2_CTS: J1001.10 R1220.1 U1201.33
ESP_UART2_RTS: J1001.9 U1201.8
ESP_UART2_RX: J1001.2 R1218.1 U1201.32
ESP_UART2_TX: J1001.1 U1201.31
ESP_USER_IO0: J1105.4 R1107.1 U1201.25
ESP_USER_IO1: J1105.6 R1108.1 U1201.23
ESP_USER_IO2: J1105.8 R1109.1 U1201.17
ESP_USER_IO3: J1105.10 R1110.1 U1201.22
ESP_USER_IO4: J1105.9 R1114.1 U1201.30
ESP_USER_IO5: J1105.7 R1113.1 U1201.29
ESP_USER_IO6: J1105.5 R1112.1 U1201.28
ESP_USER_IO7: J1105.3 R1111.1 U1201.24
FPGA_CDONE: J602.5 Q602.1 R603.2 U201.56 U1201.10
FPGA_CRESET_N: J1101.3 Q604.1 R617.2 U201.57 U601.4
FPGA_GPIO0: J1001.11 J1003.2 U201.40
FPGA_GPIO1: J1001.12 J1003.4 U201.41
FPGA_GPIO2: J1003.8 J1004.11 U201.44
FPGA_GPIO3: J1003.10 J1004.12 U201.45
FPGA_GPIO4: J1106.6 J1107.3 R1123.1 U201.35
FPGA_GPIO5: J1106.4 J1107.1 R1122.1 U201.39
FPGA_RESET_N: J602.6 R622.2 U601.1 U1201.11
FPGA_SPI_CLK: J602.8 R607.1 R611.2 R1215.2 U603.6
FPGA_SPI_CS_N: J602.4 R610.2 U201.49 U603.1 U1201.18
FPGA_SPI_MISO: J602.10 R613.2 U201.46 U603.2 U1201.21
FPGA_SPI_MOSI: J602.2 R612.2 R1214.2 U201.47 U603.5
FPGA_UART1_RX: J1004.3 J1108.4 U201.25
FPGA_UART1_TX: J1004.4 J1108.2 U201.23
FPGA_UART2_RX: J1001.3 J1108.8 U201.26
FPGA_UART2_TX: J1001.4 J1108.6 U201.24
GPIO0: J1003.1 J1106.3 J1107.5 R1118.1
GPIO1: J1003.3 J1106.5 J1107.7 R1119.1
GPIO2: J1003.7 J1106.7 J1107.9 R1120.1
GPIO3: J1003.9 J1106.8 J1107.11 R1121.1
MEM_A20_CE2_N: R402.1 R403.1 R516.2
MEM_CE_CE2_N: R404.1 R405.1 R512.2
MEM_CE_N: J303.7 R314.1 R405.2
MEM_OE_N: J303.9 R316.1 R513.2 U401.37
MEM_WE_N: J303.5 R318.1 R514.2 U401.15
PS2_KEYB_CLK: Q803.2 R806.2 U201.19
PS2_KEYB_DAT: Q804.2 R808.2 U201.22
PS2_MOUSE_CLK: J1107.6 Q801.2 R802.2
PS2_MOUSE_DAT: J1107.8 Q802.2 R804.2
RCBUS_I2C_SCL: J301.78 J302.78 J1108.11
RCBUS_I2C_SDA: J301.79 J302.79 J1108.13
RCBUS_UART1_RX: J301.36 J302.36 J1108.3
RCBUS_UART1_TX: J301.35 J302.35 J1108.1
RCBUS_UART2_RX: J301.76 J302.76 J1108.7
RCBUS_UART2_TX: J301.75 J302.75 J1108.5
RGB_BLUE0: U201.79 U702.2
RGB_BLUE1: U201.78 U702.3
RGB_BLUE2: U201.77 U702.4
RGB_BLUE3: U201.76 U702.5
RGB_GREEN0: U201.84 U701.6
RGB_GREEN1: U201.82 U701.7
RGB_GREEN2: U201.81 U701.8
RGB_GREEN3: U201.80 U701.9
RGB_HSYNC: U201.74 U702.9
RGB_RED0: U201.92 U701.2
RGB_RED1: U201.91 U701.3
RGB_RED2: U201.89 U701.4
RGB_RED3: U201.88 U701.5
RGB_VSYNC: U201.73 U702.7
SNES1_DATA_N: U201.48 U903.3
SNES2_DATA_N: U201.52 U903.2
SNES_CLOCK: R907.1 U201.51 U901.2 U901.3
SNES_LATCH: R908.1 U201.50 U902.2 U902.3
SYS_RESET_N: Q201.1 R210.2 S601.4 U205.1 U602.3 U1201.3
USER_I2C_SCL: J1101.7 J1102.3 J1108.12 R1102.1 U201.27
USER_I2C_SDA: J1101.5 J1102.4 J1108.14 R1101.1 U201.28
USER_SPI_CLK: J1101.8 J1103.4 R517.1 R1105.1
USER_SPI_CS_N: J1101.4 J1103.5 R1103.1 U201.34
USER_SPI_MISO: J1101.6 J1104.6 R1104.1 U201.30
USER_SPI_MOSI: J1101.10 J1103.3 R1106.1 U201.33
Net-(C802-Pad1): C802.1 F801.1 FB801.2
Net-(C904-Pad1): C904.1 F901.2 FB901.1
Net-(C910-Pad1): C910.1 F902.2 FB902.1
Net-(D201-A): C227.1 D201.2 FB201.2
Net-(D202-Pad1): D202.1 R209.1
Net-(D501-Pad1): D501.1 R515.1
Net-(D601-Pad1): D601.1 R602.1
Net-(D602-Pad1): D602.1 R604.1
Net-(D603-Pad1): D603.1 R616.1
Net-(D1002-Pad1): D1002.1 R1001.1
Net-(D1003-Pad1): D1003.1 R1002.1
Net-(D1005-Pad1): D1005.1 R1007.1
Net-(D1006-Pad1): D1006.1 R1008.1
Net-(D1202-Pad1): D1202.1 R1211.1
Net-(D1203-Pad1): D1203.1 R1223.1
Net-(J201-SHIELD): FB202.2 J201.S1
Net-(J801-Shield): FB802.2 J801.9
Net-(J1002-SHIELD): FB1001.2 J1002.S1
Net-(J1005-SHIELD): FB1002.2 J1005.S1
Net-(J1202-SHIELD): FB1201.2 J1202.S1
Net-(Q201-C): Q201.3 R209.2
Net-(Q502-B): Q502.1 Q503.3 R518.2
Net-(Q502-C): Q502.3 R515.2
Net-(Q601-C): Q601.3 R602.2
Net-(Q602-C): Q602.3 R604.2
Net-(Q603-B): Q603.1 Q604.3 R608.2
Net-(Q603-C): Q603.3 R616.2
Net-(Q1201-B): Q1201.1 R1210.2 R1212.2
Net-(Q1201-C): Q1201.3 R1211.2
Net-(Q1202-B): Q1202.1 Q1203.3 R1222.2
Net-(Q1202-C): Q1202.3 R1223.2
Net-(U201G-CFG_1): R606.2 U201.59
Net-(X501-OUT): R511.2 X501.3
Net-(X701-OUT): R717.2 X701.4

Pads without a net: D901 4; D902 4; D1201 5; J201 A6 A7 A8 B6 B7 B8; J501 1 8; J701 4 9 11 12 15; J901 5 6; J902 5 6; J1002 A8 B8; J1005 A8 B8; J1102 1; J1104 4; J1201 1 8; J1202 A4 A8 A9 B4 B8 B9; S601 3; U205 4; U401 1 2 21 22 23 24 43 44; U602 4; U702 12 14; U1001 15; U1002 15; U1201 16 26; X701 2 5

## Via types
v1: diameter 0.8, hole 0.4, Top to Bottom, 367 vias
v2: diameter 0.5, hole 0.3, Top to Bottom, 684 vias
v3: diameter 0.45, hole 0.3, Top to Bottom, 4 vias
v4: diameter 0.635, hole 0.3, Top to Bottom, 1 via
